# KiCad board launch.kicad_pcb (continued)
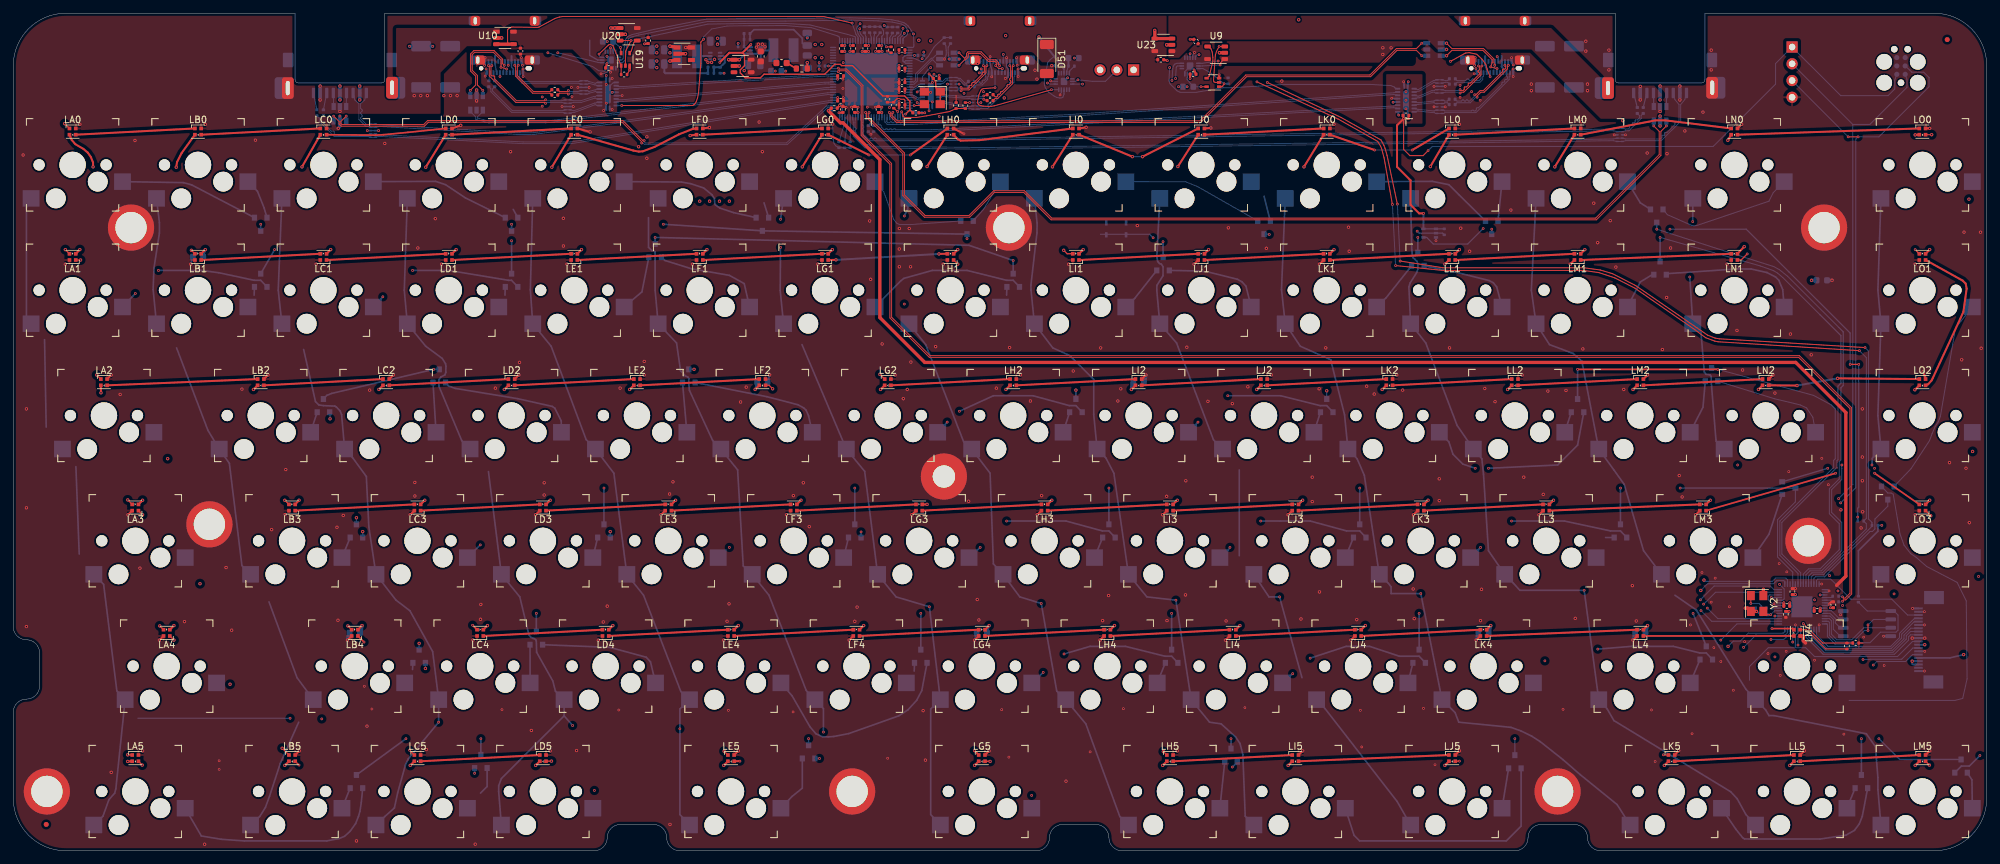
[diagram p0: board, top side]
## Routing (per net, layer and track width the routed paths; a pad name or vN(x,y) marks a point on that pad's centre or on a via; arc(x,y) is an arc through that point) (continued)
COLK: length 178.9
  In1.Cu w0.18: v1(255.68,39.47) 255.2,39 v2(213.25,39)
  Bottom w0.15: v1(255.68,39.47) 256.7,40.5 266.7,40.5 267.15,40.95 268.25,40.95 268.4,40.8 U1.29
  Bottom w0.25: SWK1.1 192.74,79.92 ; SWK1.1 195,76.5 199.6,74.45 201.7,66.1 SWK2.1 203.6,59.45 204.69,56.94 SWK3.1 ; SWK1.1 192.15,85.1 SWK0.1 ; SWK3.1 208.35,40.55 208.75,40.03 208.75,39 v2(213.25,39) SWK4.1 217.9,21.5 218.45,20.95 219,19.5 226.91,18.71 228.42,18.18 230.04,17.39 231.35,16.55 234.78,13.83 237.4,11.55 243,7 SWK5.1 ; SWK3.1 206.99,41.92
COLL: length 154.7
  In1.Cu w0.18: v2(238,39.5) 254.6,39.5 v1(256.15,41.05)
  Bottom w0.15: U1.30 268.8,41.1 268.55,41.35 267,41.35 266.5,40.85 256.35,40.85 v1(256.15,41.05)
  Bottom w0.25: SWL3.1 227.3,40.55 228.25,39.5 v2(238,39.5) SWL4.1 241.5,21.5 242.5,19.75 260.2,8.95 261.19,7.89 262.5,5.5 SWL5.1 ; SWL3.1 223.5,45.5 222.75,57.1 222.5,59.45 SWL2.1 218.75,64.5 214,77 SWL1.1 ; SWL3.1 225.99,41.92 ; SWL1.1 211.74,79.92 ; SWL1.1 211.44,85.51 211.64,86.11 212.63,87.67 212.8,88.15 212.8,88.95 212.7,89.35 212.35,89.7 212.1,89.91 211.95,90.55 211.88,91.18 SWL0.1
COLM: length 149.7
  Bottom w0.15: 263.05,25.85 263.05,27.95 265.9,30.8 271.55,30.8 272.9,29.45 285.45,29.45 287.75,31.75 J7.11 ; U1.9 270.4,33.1 270,32.7 270,30.8
  Bottom w0.25: 249.74,41.92 SWM3.1 247,45.5 244.06,55.56 242.5,57.75 SWM2.1 237.65,74.25 236.35,75.4 232.75,76.75 SWM1.1 ; SWM0.1 230,85 SWM1.1 ; SWM1.1 230.74,79.92 ; 251.75,38.75 255,36.5 262.5,24.5 SWM4.1 265.5,21.35 266,20.5 266.75,20.5 280.75,17.75 282.13,15.78 282.5,11.1 282.5,9.3 SWM5.1
COLN: length 123.7
  In1.Cu w0.15: v2(261.25,58.5) v2(277.05,58.5)
  In2.Cu w0.15: v2(254,87) v2(254.45,95.4)
  In2.Cu w0.2: v2(277.05,58.5) v2(281.6,58.5)
  Bottom w0.15: v2(277.05,58.5) 277.02,57.97 277.02,56.3 275.5,54.78 275.5,51.3 277.02,49.78 277.02,45.53 273.95,42.45 272.2,42.45 271.6,41.85 U1.37
  Bottom w0.25: v2(281.6,58.5) 281.65,59.5 SWN5.1 282.5,66 SWN4.1 282.5,85 SWN3.1 ; SWN0.1 v2(254.45,95.4) ; v2(254,87) SWN1.1 255.7,78.6 256.2,72.6 256.45,72.25 257.1,72.15 257.25,71.9 257.25,71.1 257.96,62.36 258,62.1 SWN2.1
LED: length 9.6
  Top w0.15: R4.1 R27.2 274.15,31.5 v2(271.2,34.45)
  Bottom w0.15: U1.7 v2(271.2,34.45)
ROW0: length 296
  In1.Cu w0.18: v2(249,94.25) 248.25,93.5 224.75,93.5 v2(224,94.25) 223.2,93.45 v2(190.3,93.45) 189.7,92.85 173.9,92.85 173.25,92.2 158.4,92.2 156.85,90.65 146.65,90.65 v2(144.5,92.8) ; v2(37.5,95) v2(98.5,95)
  Bottom w0.15: v2(249,94.25) 260.5,90.55 266.73,88.58 267.57,88.12 268.82,87.12 276.59,79.34 ; U1.36 271.2,41.95 272,42.75 273.75,42.75 276.65,45.65 276.65,49.6 275.15,51.1 275.15,54.9 276.65,56.4 276.65,59 276.9,59.25 276.9,68.5
  Bottom w0.18: 276.59,79.34 277.25,78.68 277.25,70.55 276.9,70.2 276.9,68.5
  Bottom w0.25: v2(249,94.25) 249,95.3 ; D27.3 v2(190.3,93.45) ; v2(98.5,95) D39.3 D33.3 v2(144.5,92.8) ; D45.3 v2(75.5,95) ; v2(37.5,95) D9.3 ; D21.3 v2(224,94.25)
ROW1: length 307.8
  In1.Cu w0.18: v2(249.5,93) v2(212.8,93) 212.15,92.35 v2(174.2,92.35) 173.6,91.75 158.7,91.75 156.45,89.5 v2(151.5,89.5) ; v2(97.25,93) 96.75,92.5 v2(75.5,92.5) 40.95,92.5 v2(39.6,91.15)
  Bottom w0.15: U1.35 270.8,42.15 267.95,45 267.95,49.8 276.3,58.15 276.3,59.15 276.45,59.3 276.45,69 ; v2(249.5,93) 264.72,88.67 266.71,87.96 267.3,87.6 268.08,86.93 273.73,81.28
  Bottom w0.18: 276.45,69 276.45,70.45 276.9,70.9 276.9,78.11 273.73,81.28
  Bottom w0.25: 249.5,89.3 v2(249.5,93) ; D34.3 v2(151.5,89.5) 144.81,91.81 v2(97.25,93) D40.3 ; D10.3 v2(39.6,91.15) ; D46.3 v2(75.5,92.5) ; D22.3 v2(212.8,93) ; D28.3 v2(174.2,92.35)
ROW2: length 277
  Top w0.25: v2(237,73) v2(258.25,73)
  In1.Cu w0.18: v2(237,73) 232.95,68.95 223.9,68.95 223.55,69.3 209.5,69.3 208.15,70.65 206.4,70.65 205.5,69.75 v1(199,69.75) 198.62,69.38 187.82,69.38 187.7,69.5 170.2,69.5 169.8,69.1 161.75,69.1 v1(161,69.85) 151.3,69.85 150.8,69.35 106.8,69.35 v1(103.15,73) v2(63.7,73)
  Bottom w0.15: v2(258.25,73) 272.75,69.05 275.45,67.6 276.04,67.02 276.04,59.44 275.8,59.2 275.8,58.15 267.65,50 267.65,44.8 270.4,42.05 U1.34
  Bottom w0.18: D29.3 v1(199,69.75)
  Bottom w0.25: D11.3 47.5,69.05 48.25,69.35 v2(63.7,73) D47.3 ; D41.3 v1(103.15,73) ; D35.3 v1(161,69.85) ; D17.3 v2(258.25,73) ; D23.3 v2(237,73)
ROW3: length 267
  In1.Cu w0.18: v1(52,50.5) 56.5,55 v2(89.5,55) v2(127.5,55) 137.1,55 139.5,52.6 143,52.6 145.4,55 v2(166,55) v2(204,55) v2(243.5,55) v2(252.55,55)
  Bottom w0.15: D18.3 270,52.9 267.3,50.2 267.3,44.55 269.6,42.25 U1.32
  Bottom w0.18: v1(52,50.5) D12.3
  Bottom w0.2: D18.3 v2(252.55,55)
  Bottom w0.25: D48.3 v2(89.5,55) ; D24.3 v2(243.5,55) ; D36.3 v2(166,55) ; D42.3 v2(127.5,55) ; D30.3 v2(204,55)
ROW4: length 263.5
  In1.Cu w0.15: v2(275.18,41.72) 274.05,42.85 263.75,42.85 256.65,35.75 255.5,35.75 255.25,36 v2(254.5,36)
  In1.Cu w0.18: v1(61.5,31.45) 66.05,36 v2(79.25,36) v2(137.5,36) v2(175.5,36) v2(213,36) v2(254.5,36)
  Bottom w0.15: D19.3 284,52.25 282.05,50.3 282.05,48.8 281.68,48.42 281.32,48.42 274.45,41.55 273.05,41.55 272.8,41.3 U1.40 ; v2(275.18,41.72) 274.9,42
  Bottom w0.18: v1(61.5,31.45) D13.3
  Bottom w0.25: D49.3 v2(79.25,36) ; D43.3 v2(137.5,36) ; D37.3 v2(175.5,36) ; D25.3 v2(254.5,36) ; D31.3 v2(213,36)
ROW5: length 276.9
  In1.Cu w0.18: 266.9,25.85 v2(266.9,29.4) ; 266.9,25.85 268.05,25.85 276.9,17 v2(280,17) v2(282.65,17) ; 266.9,25.85 258.05,17 v2(227.5,17) v2(184.5,17) v2(120.5,17) v2(70.85,17) v2(59.5,17)
  In2.Cu w0.15: v2(266.9,29.4) v2(266.9,35.6)
  Bottom w0.15: U1.18 v2(266.9,35.6)
  Bottom w0.18: v2(120.5,17) D44.3 ; D32.3 v2(227.5,17)
  Bottom w0.2: v2(282.65,17) 285.8,13.85 D20.3
  Bottom w0.25: D50.3 v2(70.85,17) ; D38.3 v2(184.5,17) ; D14.3 v2(59.5,17) ; D26.3 v2(280,17)
ROW6: length 18.4
  Bottom w0.15: J7.3 287,35.75 284.6,38.15 278.4,38.15 275.35,41.2 273.4,41.2 273.2,41 U1.41
ROW7: length 19.1
  Bottom w0.15: J7.4 288.05,35.25 285.77,32.97 285.77,32.33 284.45,31 274.95,31 273.2,32.75 U1.2
ROW8: length 19.6
  Bottom w0.15: U1.3 272.8,32.65 274.75,30.7 284.55,30.7 286.1,32.25 286.1,32.85 288,34.75 J7.5
ROW9: length 19.9
  Bottom w0.15: U1.4 272.4,32.55 274.55,30.4 284.7,30.4 286.45,32.15 286.45,32.7 287.5,33.75 J7.7
ROW10: length 20.3
  Bottom w0.15: J7.8 287.45,33.25 286.8,32.6 286.8,32.1 284.8,30.1 274.35,30.1 272,32.45 U1.5
ROW11: length 20.8
  Bottom w0.15: J7.9 287.45,32.75 287.15,32.45 287.15,31.95 285,29.8 274.2,29.8 271.6,32.4 U1.6
Net-(C76-Pad2): length 1.7
  Top w0.25: C76.2 R3.1
Net-(D9-A-Pad1): length 21.3
  Bottom w0.25: D9.1 27.03,100.97 25.81,101.31 SWA0.2
Net-(D9-A-Pad2): length 6.3
  Bottom w0.25: D9.2 38,97.5 37,100 SWB0.2
Net-(D10-A-Pad1): length 24.8
  In1.Cu w0.25: v2(18.5,84.5) v2(22,88)
  Bottom w0.25: v2(18.5,84.5) SWA1.2 ; D10.1 37.5,86.5 36.5,86.5 31.15,87.65 28.5,88 v2(22,88)
Net-(D10-A-Pad2): length 1.3
  Bottom w0.25: D10.2 36.5,84.25
Net-(D11-A-Pad1): length 28.9
  In1.Cu w0.18: v1(23.4,59.45) 24.35,58.5 41,58.5 v1(48,65.5)
  Bottom w0.18: v1(48,65.5) 48,66.45 D11.1
Net-(D11-A-Pad2): length 3.2
  Bottom w0.25: D11.2 SWB2.2
Net-(D12-A-Pad1): length 30.1
  In1.Cu w0.18: v1(28.3,40.5) 37.75,49.95 49.5,49.95 51.05,48.4 v1(52.95,48.4)
  Bottom w0.18: v1(52.95,48.4) D12.1
Net-(D12-A-Pad2): length 3.3
  Bottom w0.25: D12.2 SWB3.2
Net-(D13-A-Pad1): length 33.5
  In1.Cu w0.18: v1(62.45,27.65) 57.55,22.75 53.75,22.75 51.25,25.25 v1(32.85,25.25)
  Bottom w0.18: D13.1 v1(62.45,27.65)
Net-(D13-A-Pad2): length 1
  Bottom w0.25: D13.2 60.5,27.5
Net-(D14-A-Pad1): length 34.8
  Bottom w0.25: SWA5.2 28.5,2.25 31.5,1.75 35,1.5 47.5,1.5 49.35,1.85 50.2,2.2 51.04,2.96 51.88,4.12 52.3,5.2 52.53,5.97 52.73,7.27 D14.1
Net-(D14-A-Pad2): length 3.3
  Bottom w0.25: D14.2 SWB5.2
Net-(D15-A-Pad1): length 5.6
  Bottom w0.25: SWM0.2 246.5,98.25 D15.1
Net-(D15-A-Pad2): length 21.2
  Bottom w0.15: SWN0.2 266.65,99.8 266,98.5 255.04,94.81 254.59,94.76 254.35,94.8 250.6,96.45 D15.2
Net-(D16-A-Pad1): length 21.7
  Bottom w0.25: SWN1.2 268.08,85.08 267.5,86.5 267,87 265.68,87.68 263.29,88.21 261.23,88.23 250.45,87.5
Net-(D16-A-Pad2): length 6.7
  Bottom w0.25: 248.55,87.5 246.5,86.25 SWM1.2
Net-(D17-A-Pad1): length 18.1
  Bottom w0.15: SWN2.2 272.64,65.74 271.7,67.15 270.75,67.6 266.8,68.55 D17.1
Net-(D17-A-Pad2): length 8.2
  Bottom w0.25: SWM2.2 256,67.25 D17.2
Net-(D18-A-Pad1): length 10.7
  Bottom w0.25: D18.1 266,48 SWM3.2
Net-(D18-A-Pad2): length 68.2
  In1.Cu w0.18: v1(296.3,98.8) 296.65,98.45 296.65,64.5 296.6,64.5 295.55,63.45 295.55,59.85 293.7,58 v2(282,58)
  In2.Cu w0.2: v2(274.9,58) v2(282,58)
  Bottom w0.2: D18.2 v2(274.9,58)
Net-(D19-A-Pad1): length 55.4
  Bottom w0.15: D19.1 284,54.25 284.5,54.25 284.82,54.07 285.85,48.05 286.47,46.32 287.47,45.07 288.3,44.5 289.9,43.1 294.5,40.7 295.89,37.89 296.01,26.06 295.35,23.1 294.15,22.8 278.15,22.8
Net-(D19-A-Pad2): length 30.5
  Bottom w0.15: SWN4.2 294.25,79.25 291.96,65.84 291.65,65.05 291.17,64.33 290.71,63.24 290.32,62.18 287.52,57.93 D19.2
Net-(D20-A-Pad1): length 5.6
  Bottom w0.25: D20.1 296.75,10.75 SWM5.2
Net-(D20-A-Pad2): length 51.6
  In1.Cu w0.18: v1(296.85,60.55) 298.2,59.2 298.2,14.7 v2(297.95,14.45)
  Bottom w0.25: D20.2 295.15,12.85 296.35,12.85 v2(297.95,14.45)
Net-(D21-A-Pad1): length 18.8
  Bottom w0.25: D21.1 219,99.5 217.5,101 215,101.5 SWK0.2
Net-(D21-A-Pad2): length 6
  Bottom w0.25: D21.2 SWL0.2
Net-(D22-A-Pad1): length 14.8
  Bottom w0.25: D22.1 218.65,87.7 223.61,86.46 224.23,86.13 224.75,85.5 SWL1.2
Net-(D22-A-Pad2): length 8.2
  Bottom w0.25: D22.2 208,83.85 SWK1.2
Net-(D23-A-Pad1): length 30
  In1.Cu w0.25: v2(223.5,58) v2(221.5,58)
  Bottom w0.25: D23.1 237,61.5 234,58.5 v2(223.5,58) ; SWK2.2 217.5,62 218.12,60.12 219.62,58.62 v2(221.5,58)
Net-(D23-A-Pad2): length 3.2
  Bottom w0.25: D23.2 SWL2.2
Net-(D24-A-Pad1): length 26.4
  In1.Cu w0.25: v2(227,50) v2(222.3,46)
  Bottom w0.25: v2(227,50) 235,50 242,48.5 243.5,48.5 D24.1 ; v2(222.3,46) SWK3.2
Net-(D24-A-Pad2): length 1.3
  Bottom w0.25: D24.2 241.25,47.5
Net-(D25-A-Pad1): length 26.7
  In1.Cu w0.18: v2(232.05,28.8) 238.28,28.8 v2(240.07,30.58)
  Bottom w0.25: D25.1 256.5,30 255.5,30 251.5,31 245.2,31 v2(240.07,30.58)
Net-(D25-A-Pad2): length 3.8
  Bottom w0.25: D25.2 SWL4.2
Net-(D26-A-Pad1): length 29.5
  Bottom w0.25: SWK5.2 261,3.25 262,2 262.3,1.8 273.72,1.78 277.67,2.38 278.95,3.1 279.68,4.07 280.14,5.21 D26.1
Net-(D26-A-Pad2): length 3.3
  Bottom w0.25: D26.2 SWL5.2
Net-(D27-A-Pad1): length 21.5
  Bottom w0.15: D27.1 179.45,100.7 177.6,101.45 SWI0.2
Net-(D27-A-Pad2): length 3.9
  Bottom w0.25: D27.2 189.5,99.25
Net-(D28-A-Pad1): length 15.4
  Bottom w0.25: SWJ1.2 186.76,85.61 186.16,86.26 185.46,86.66 181.09,87.74 179.37,87.92 D28.1
Net-(D28-A-Pad2): length 7.3
  Bottom w0.25: SWI1.2 169.9,83.75 D28.2
Net-(D29-A-Pad1): length 24.8
  In1.Cu w0.25: v2(179.5,65) 180,65 v2(184,69)
  Bottom w0.25: D29.1 199,67.5 198,67.5 192,69 v2(184,69) ; v2(179.5,65) SWI2.2
Net-(D29-A-Pad2): length 3.2
  Bottom w0.25: D29.2 SWJ2.2
Net-(D30-A-Pad1): length 25.1
  In1.Cu w0.25: v2(184.34,46.01) 185.01,46.01 v2(189,50)
  Bottom w0.25: SWI3.2 184,45.5 v2(184.34,46.01) ; D30.1 204,48.5 202,48.5 196.5,50 v2(189,50)
Net-(D30-A-Pad2): length 3.3
  Bottom w0.25: D30.2 SWJ3.2
Net-(D31-A-Pad1): length 24.1
  In1.Cu w0.25: v2(196.49,29.21) 194.14,26.86 v2(193.84,26.86)
  Bottom w0.25: v2(193.84,26.86) SWI4.2 ; v2(196.49,29.21) 201.95,31 205.5,31 210,29.5 213,29.5 D31.1
Net-(D31-A-Pad2): length 3.1
  Bottom w0.25: D31.2 SWJ4.2
Net-(D32-A-Pad1): length 39.7
  Bottom w0.25: D32.1 228.45,3.75 226.2,1.5 203.99,1.5 203.14,2.35 SWI5.2
Net-(D32-A-Pad2): length 6.1
  Bottom w0.25: D32.2 SWJ5.2
Net-(D33-A-Pad1): length 17
  Bottom w0.15: D33.1 135.9,94.95 134.3,94.95 133.86,95.16 133.38,95.78 131.9,99.9 SWG0.2
Net-(D33-A-Pad2): length 7.3
  Bottom w0.15: SWH0.2 147,97.25 145.85,95.95 D33.2
Net-(D34-A-Pad1): length 24.5
  Bottom w0.25: SWG1.2 134.5,86.45 134.95,86.8 139.25,88 144.5,88 150.5,86.5 151.5,86.5 D34.1
Net-(D34-A-Pad2): length 1.3
  Bottom w0.25: D34.2 150.5,84.25
Net-(D35-A-Pad1): length 24.3
  In1.Cu w0.25: v2(143.35,66.65) v2(141.5,65)
  Bottom w0.25: v2(143.35,66.65) 148.5,69 154.5,69 160,67.5 161,67.5 D35.1 ; v2(141.5,65) SWG2.2
Net-(D35-A-Pad2): length 3.2
  Bottom w0.25: D35.2 SWH2.2
Net-(D36-A-Pad1): length 25
  In1.Cu w0.25: v2(150.5,50) v2(146.5,46)
  Bottom w0.25: v2(146.5,46) SWG3.2 ; D36.1 166,48.5 165,48.5 159.5,50 v2(150.5,50)
Net-(D36-A-Pad2): length 3.3
  Bottom w0.25: D36.2 SWH3.2
Net-(D37-A-Pad1): length 24.7
  In1.Cu w0.25: v2(156.05,27.05) 158.85,29.85 v2(159.2,29.85)
  Bottom w0.25: v2(159.2,29.85) 163.15,31 168.5,31 174.5,29.5 175.5,29.5 D37.1 ; SWG4.2 156,27 v2(156.05,27.05)
Net-(D37-A-Pad2): length 3.3
  Bottom w0.25: D37.2 SWH4.2
Net-(D38-A-Pad1): length 33.3
  In1.Cu w0.25: v2(154.3,8.4) 157.75,11.85 183.85,11.85 v2(184.7,12.7)
  Bottom w0.25: D38.1 185.45,13.45 v2(184.7,12.7)
Net-(D38-A-Pad2): length 7.1
  Bottom w0.25: D38.2 SWH5.2
Net-(D39-A-Pad1): length 22
  Bottom w0.25: D39.1 109.14,96.76 107.05,97.45 106.41,97.91 106.3,98.1 106.23,98.87 105.87,99.47 104.6,100.5 102.65,101.15 101.2,101.4 SWE0.2
Net-(D39-A-Pad2): length 2.4
  Bottom w0.25: 113.75,98.25 D39.2
Net-(D40-A-Pad1): length 17
  Bottom w0.25: SWF1.2 110.75,86 108.5,87.25 102.75,88.25 98.75,89.5 D40.1
Net-(D40-A-Pad2): length 8.9
  Bottom w0.25: SWE1.2 95.25,84.75 D40.2
Net-(D41-A-Pad1): length 20.9
  Bottom w0.25: SWF2.2 120.5,65.95 120.12,66.82 119.79,67.14 118.88,67.63 114.2,68.85 D41.1
Net-(D41-A-Pad2): length 7.6
  Bottom w0.25: SWE2.2 D41.2
Net-(D42-A-Pad1): length 23.1
  In1.Cu w0.25: v2(128.45,48.35) 126.8,50 112.5,50 v2(108.5,46)
  Bottom w0.25: v2(128.45,48.35) D42.1
Net-(D42-A-Pad2): length 3.1
  Bottom w0.25: D42.2 SWF3.2
Net-(D43-A-Pad1): length 32.1
  Bottom w0.25: D43.1 137.65,24.3 136.88,22.82 135.54,21.36 134.17,20.47 126.57,17.77 124.32,17.33 123.48,17.27 122.6,17.3 121.6,17.75 120.71,18.81 118,23.5 SWE4.2
Net-(D43-A-Pad2): length 1.3
  Bottom w0.25: D43.2 136.5,27.25
Net-(D44-A-Pad1): length 203.9
  In1.Cu w0.18: v2(297.75,41.6) 297.75,19.65 290.5,12.4 287.3,12.4 283.3,16.4 147.85,16.4 146.05,14.6 122.75,14.6 v2(122.15,14)
  Bottom w0.25: D44.1 v2(122.15,14)
Net-(D44-A-Pad2): length 9
  Bottom w0.25: SWE5.2 118,8.25 119.55,9.5 D44.2
Net-(D45-A-Pad1): length 21.4
  Bottom w0.25: SWC0.2 64,101.5 65.5,101 68.5,99 D45.1
Net-(D45-A-Pad2): length 1.4
  Bottom w0.25: D45.2 75.75,97.25
Net-(D46-A-Pad1): length 24.8
  In1.Cu w0.25: v2(60.5,88) 60,88 v2(56,84)
  Bottom w0.25: D46.1 75.5,86.5 75,86.5 66,88 v2(60.5,88) ; v2(56,84) SWC1.2
Net-(D46-A-Pad2): length 1.3
  Bottom w0.25: D46.2 74.5,84.25
Net-(D47-A-Pad1): length 21.1
  Bottom w0.25: D47.1 65.9,70.5 66.96,70.11 76.45,68.55 81.67,67.37 82.06,67.11 83.03,65.18 SWD2.2
Net-(D47-A-Pad2): length 7.6
  Bottom w0.25: D47.2 SWC2.2
Net-(D48-A-Pad1): length 25.4
  In1.Cu w0.18: v1(90.45,48.4) 88.95,49.9 74.28,49.9 v2(70.77,46.38)
  Bottom w0.18: v1(90.45,48.4) D48.1
  Bottom w0.25: v2(70.77,46.38) SWC3.2
Net-(D48-A-Pad2): length 3.1
  Bottom w0.25: D48.2 SWD3.2
Net-(D49-A-Pad1): length 20.1
  Bottom w0.25: D49.1 90.35,30.85 95.9,29.35 96.55,28.65 SWD4.2
Net-(D49-A-Pad2): length 5.8
  Bottom w0.25: D49.2 SWC4.2
Net-(D50-A-Pad1): length 4.2
  Bottom w0.25: 70.8,8.75 71.8,9.75 D50.1
Net-(D50-A-Pad2): length 20
  In1.Cu w0.25: v2(69.9,11.75) 85.45,11.75 v2(88.05,9.15)
  Bottom w0.25: D50.2 v2(69.9,11.75)
Net-(J2-SSTX+): length 2.3
  Bottom w0.18: C52.2 J2.9
Net-(J2-SSTX-): length 2.3
  Bottom w0.18: C51.2 J2.8
Net-(J3-SSTX+): length 2.6
  Bottom w0.15: C54.2 J3.9
Net-(J3-SSTX-): length 2.6
  Bottom w0.15: C53.2 J3.8
Net-(LA0-DIN): length 23.5
  Top w0.18: LA1.3 v1(7.9,91.15) ; LA0.1 v1(7.8,110.25)
  In1.Cu w0.18: v1(7.9,91.15) 7.9,96.5 8.95,97.55 8.95,99.8 5.85,102.9 5.85,108.3 v1(7.8,110.25)
Net-(LA0-DOUT): length 18.1
  Top w0.3: 9.48,108.58 LB0.1
Net-(LA1-DIN): length 18.9
  Top w0.18: 9.48,89.58 v1(10.2,89.58) ; LB1.3 v1(27,91.05)
  In1.Cu w0.18: v1(10.2,89.58) 10.92,90.3 26.25,90.3 v1(27,91.05)
Net-(LA2-DIN): length 24.4
  Top w0.18: LA2.1 v1(12.65,72.15) ; LA3.3 v1(17.35,53.2)
  In1.Cu w0.18: v1(12.65,72.15) 10.7,70.2 10.7,64.6 17.35,57.95 v1(17.35,53.2)
Net-(LA2-DOUT): length 22.8
  Top w0.3: LA2.3 LB2.1
Net-(LA3-DIN): length 28.9
  Top w0.18: LA3.1 v1(19.6,50.95) ; LB3.3 v1(41.15,53.15)
  In1.Cu w0.18: v1(19.6,50.95) 22.25,50.95 27.85,45.35 31.65,45.35 39.45,53.15 v1(41.15,53.15)
Net-(LA4-DIN): length 28.9
  Top w0.18: LB4.3 v1(50.7,34.1) ; LA4.1 v1(24.35,31.95)
  In1.Cu w0.18: v1(24.35,31.95) 26.5,34.1 v1(50.7,34.1)
Net-(LA4-DOUT): length 23
  Top w0.18: LA4.3 v1(22.2,34.1) ; LA5.1 v1(17.35,14.55)
  In1.Cu w0.18: v1(17.35,14.55) 17.35,23.65 20.1,26.4 20.1,32 v1(22.2,34.1)
Net-(LA5-DOUT): length 24.5
  Top w0.18: LB5.1 v1(40.75,15.55) ; LA5.3 v1(19.55,13)
  In1.Cu w0.18: v1(40.75,15.55) 38.2,13 v1(19.55,13)
Net-(LB0-DOUT): length 18.1
  Top w0.3: 28.48,108.58 LC0.1
Net-(LB1-DIN): length 18.1
  Top w0.3: 28.48,89.58 LC1.3
Net-(LB2-DOUT): length 18.1
  Top w0.3: LB2.3 LC2.1
Net-(LB3-DIN): length 18.1
  Top w0.3: LC3.3 LB3.1
Net-(LB4-DIN): length 20.4
  Top w0.25: LC4.3 v2(69.6,34.2) ; LB4.1 v2(53.15,31.65)
  In1.Cu w0.18: v2(69.6,34.2) 65.2,34.2 61.85,30.85 61.2,30.85 60.4,31.65 v2(53.15,31.65)
Net-(LB5-DOUT): length 19.5
  Top w0.18: LC5.1 v2(60.05,15.25) ; LB5.3 v2(43.3,13)
  In1.Cu w0.18: v2(60.05,15.25) 57.8,13 v2(43.3,13)
Net-(LC0-DOUT): length 18.1
  Top w0.25: 47.47,108.58 54.89,108.51 56.12,108.58 59.82,108.93 LD0.1
Net-(LC1-DIN): length 18.1
  Top w0.3: 47.47,89.58 LD1.3
Net-(LC2-DOUT): length 18.1
  Top w0.3: LC2.3 LD2.1
Net-(LC3-DIN): length 18.1
  Top w0.3: LD3.3 LC3.1
Net-(LC4-DIN): length 18.1
  Top w0.3: LC4.1 LD4.3
Net-(LC5-DOUT): length 18.1
  Top w0.3: LD5.1 LC5.3
Net-(LD0-DOUT): length 18.1
  Top w0.3: 66.47,108.58 LE0.1
Net-(LD1-DIN): length 18.1
  Top w0.3: 66.47,89.58 LE1.3
Net-(LD2-DOUT): length 18.1
  Top w0.3: LD2.3 LE2.1
Net-(LD3-DIN): length 18.1
  Top w0.3: LE3.3 LD3.1
Net-(LD4-DIN): length 18.1
  Top w0.3: LD4.1 LE4.3
Net-(LD5-DOUT): length 29.6
  Top w0.18: LE5.1 v1(107.7,15.1) ; LD5.3 80.75,13.6 v1(81.55,13.6)
  In1.Cu w0.18: v1(107.7,15.1) 106.25,16.55 84.5,16.55 v1(81.55,13.6)
Net-(LE0-DOUT): length 19.1
  Top w0.3: 85.47,108.58 93.97,106.17 94.78,106.02 95.39,106.06 97.17,106.73 100.87,108.63 102.97,109.47 LF0.1
Net-(LE1-DIN): length 18.1
  Top w0.3: 85.47,89.58 LF1.3
Net-(LE2-DOUT): length 18.1
  Top w0.3: LE2.3 LF2.1
Net-(LE3-DIN): length 18.1
  Top w0.3: LF3.3 LE3.1
Net-(LE4-DIN): length 18.1
  Top w0.3: LE4.1 LF4.3
Net-(LE5-DOUT): length 39
  Top w0.3: LG5.1 v2(145.6,15.2) ; LE5.3 v2(110.1,13.6)
  In1.Cu w0.18: v2(110.1,13.6) 112.9,16.4 144.4,16.4 v2(145.6,15.2)
Net-(LF0-DOUT): length 18.1
  Top w0.3: 104.47,108.58 LG0.1
Net-(LF1-DIN): length 18.1
  Top w0.3: 104.47,89.58 LG1.3
Net-(LF2-DOUT): length 19.5
  Top w0.18: LG2.1 v1(131.3,72.25) ; v1(115.05,70.05) 114.53,70.58 LF2.3
  In1.Cu w0.18: v1(115.05,70.05) 117.25,72.25 v1(131.3,72.25)
Net-(LF3-DIN): length 18.1
  Top w0.3: LG3.3 LF3.1
Net-(LF4-DIN): length 18.1
  Top w0.3: LF4.1 LG4.3
Net-(LG0-DOUT): length 20.1
  Top w0.3: v2(135.9,105.5) LH0.1 ; 123.47,108.58 v2(129.65,105.5)
  Bottom w0.15: v2(135.9,105.5) v2(129.65,105.5)
Net-(LG1-DIN): length 18.1
  Top w0.3: 123.47,89.58 v1(124.65,89.6) ; v1(140.25,90.5) LH1.3
  Bottom w0.3: v1(124.65,89.6) v1(140.25,90.5)
Net-(LG2-DOUT): length 18.1
  Top w0.3: LG2.3 LH2.1
Net-(LG3-DIN): length 18.1
  Top w0.3: LH3.3 LG3.1
Net-(LG4-DIN): length 18.1
  Top w0.3: LG4.1 LH4.3
Net-(LG5-DOUT): length 29.1
  Top w0.18: LG5.3 147.97,13.57 v1(148,13.55) ; LH5.1 v1(174.25,15.05)
  In1.Cu w0.18: v1(148,13.55) 150.3,15.85 173.45,15.85 v1(174.25,15.05)
Net-(LH0-DOUT): length 18.5
  Top w0.3: LI0.1 146.35,107.75 143.53,107.68 143.1,107.9 142.47,108.58
Net-(LH1-DIN): length 19.4
  Top w0.18: LI1.3 159.68,90.53 v1(159.15,91.05) ; 142.47,89.58 v1(143.1,88.95)
  In1.Cu w0.18: v1(159.15,91.05) 157.05,88.95 v1(143.1,88.95)
Net-(LH2-DOUT): length 18.1
  Top w0.3: LH2.3 LI2.1
Net-(LH3-DIN): length 18.1
  Top w0.3: LI3.3 LH3.1
Net-(LH4-DIN): length 18.1
  Top w0.3: LH4.1 LI4.3
Net-(LH5-DOUT): length 18.1
  Top w0.3: LH5.3 LI5.1
Net-(LI0-DOUT): length 19.7
  Top w0.3: 161.47,108.58 v1(169.55,105.25) ; v1(171.1,105.25) LJ0.1
  Bottom w0.15: v1(171.1,105.25) v1(169.55,105.25)
Net-(LI1-DIN): length 18.1
  Top w0.3: LJ1.3 161.47,89.58
Net-(LI2-DOUT): length 18.1
  Top w0.3: LI2.3 LJ2.1
Net-(LI3-DIN): length 18.1
  Top w0.3: LJ3.3 LI3.1
Net-(LI4-DIN): length 18.1
  Top w0.3: LI4.1 LJ4.3
Net-(LI5-DOUT): length 22.8
  Top w0.3: LI5.3 LJ5.1
Net-(LJ0-DOUT): length 18.1
  Top w0.3: LK0.1 180.47,108.58
Net-(LJ1-DIN): length 18.1
  Top w0.3: 180.47,89.58 LK1.3
Net-(LJ2-DOUT): length 18.1
  Top w0.3: LJ2.3 LK2.1
Net-(LJ3-DIN): length 18.1
  Top w0.3: LK3.3 LJ3.1
Net-(LJ4-DIN): length 18.1
  Top w0.3: LJ4.1 LK4.3
Net-(LJ5-DOUT): length 32.7
  Top w0.18: LK5.1 250.02,14.53 v2(250,14.55) ; LJ5.3 218.5,13.6 v2(219.1,13.6)
  In1.Cu w0.18: v2(219.1,13.6) 220.05,14.55 v2(250,14.55)
Net-(LK0-DOUT): length 19.3
  Top w0.3: v2(211.95,106.25) LL0.1 ; 199.47,108.58 v2(206.25,106.25)
  Bottom w0.15: v2(206.25,106.25) v2(211.95,106.25)
Net-(LK1-DIN): length 18.1
  Top w0.3: 199.47,89.58 LL1.3
Net-(LK2-DOUT): length 18.1
  Top w0.3: LK2.3 LL2.1
Net-(LK3-DIN): length 18.1
  Top w0.3: LL3.3 LK3.1
Net-(LK4-DIN): length 22.8
  Top w0.3: LK4.1 LL4.3
Net-(LK5-DOUT): length 18.1
  Top w0.3: LK5.3 LL5.1
Net-(LL0-DOUT): length 18.1
  Top w0.3: 218.47,108.58 LM0.1
Net-(LL1-DIN): length 18.1
  Top w0.3: 218.47,89.58 LM1.3
Net-(LL2-DOUT): length 18.1
  Top w0.3: LM2.1 LL2.3
Net-(LL3-DIN): length 22.8
  Top w0.3: LM3.3 LL3.1
Net-(LL4-DIN): length 22.8
  Top w0.25: LL4.1 LM4.3
Net-(LL5-DOUT): length 18.1
  Top w0.3: LL5.3 LM5.1
Net-(LM0-DOUT): length 23.1
  Top w0.3: 237.48,108.58 248.8,110.75 250.3,110.75 LN0.1
Net-(LM1-DIN): length 22.8
  Top w0.3: 237.48,89.58 LN1.3
Net-(LM2-DOUT): length 18.1
  Top w0.3: LM2.3 LN2.1
Net-(LM3-DIN): length 34.6
  Top w0.25: LO3.3 v2(282,57.25) ; v2(276.1,57.25) LM3.1
  In2.Cu w0.25: v2(282,57.25) v2(276.1,57.25)
Net-(LM4-DIN): length 8.3
  Top w0.15: R27.1 274.6,30.6 271.68,33.53 LM4.1
Net-(LM5-DOUT): length 47
  Top w0.18: LO3.1 v1(290.5,50.8) ; LM5.3 v1(290.3,13)
  In1.Cu w0.18: v1(290.3,13) 294.85,17.55 294.85,29.9 296.7,31.75 296.7,48.15 294.05,50.8 v1(290.5,50.8)
Net-(LN0-DOUT): length 27.6
  Top w0.3: 261.23,108.58 LO0.1
Net-(LN1-DIN): length 28.5
  Top w0.18: LO1.3 v2(288.15,91.15) ; v2(262.7,90.5) 261.77,89.58 261.23,89.58
  In1.Cu w0.18: v2(262.7,90.5) 287.5,90.5 v2(288.15,91.15)
Net-(LN2-DOUT): length 22.9
  Top w0.3: LO2.1 v1(276.4,71.63) ; LN2.3 v1(270.25,70.55)
  Bottom w0.3: v1(276.4,71.63) v1(270.25,70.55)
Net-(LO1-DIN): length 24.1
  Top w0.3: LO2.3 290.12,70.73 290.63,71.32 290.8,71.65 295.45,81.7 295.95,85.25 295.8,86 295.35,86.45 289.73,89.58

## Copper pours and planes (outline as drawn; the poured copper is in the pictures)
+1V1 on Bottom: 122.75,120 117.5,120 117.5,122.5 122.75,122.5
+1V1 on In1.Cu: 135.5,111.5 124,111.5 124,120 121,120 121,122.5 135.5,122.5
+3V3 on Top: 103.5,113.5 91.5,113.5 91.5,112 90.25,112 90.25,122.75 103.5,122.75
+3V3 on Top: 213.5,110.25 208,110.25 208,117.75 213.5,117.75
+3V3 on Top: 277.3,32.2 266.75,32.2 266.75,41.2 277.2,41.2
+3V3 on In1.Cu: 141,123.5 139,123.5 139,112 135.75,112 135.75,122.75 132.75,122.75 131.75,121.75 129.5,121.75 128.5,122.75 120.75,122.75 120.75,119.75 123.75,119.75 123.75,111.75 115.75,111.75 115.75,122 101.5,122 101.5,127 141,127
+3V6 on Bottom: 101.5,118.35 98,118.35 98,122.5 101.5,122.5
+3V6 on In1.Cu: 101.5,122.25 101.5,119.25 107,117 115.5,117 115.5,98 98.75,98 98.75,122.25
+3V6 on In2.Cu: 301,-2 -2,-2 -2,104 259.25,104 259.25,129 301,129
GND on Top: 155.55,117.15 155.2,116.7 151.95,116.7 151.95,120.6 154.2,120.6 155.65,119.05 157.65,119.05 157.65,117.15
GND on Top: -3,-3 302,-3 302,130 -3,130
GND on Top: 113.72,120.78 114.15,121.65 114.15,122.55 112.35,122.55 112.35,121.6 112.78,120.78
GND on Bottom: 93.25,114 30.5,114 30.5,127.5 93.25,127.5
GND on Bottom: 217.5,116.62 143.25,116.75 143.25,127 217.5,126.88
GND on Bottom: 299.5,107 218,107 218,127.5 299.5,127.5
GND on Bottom: 97.75,118.25 96,118.25 96,122.5 97.75,122.5
GND on Bottom: 134.5,112.5 125.5,112.5 125.5,121.5 134.5,121.5
GND on Bottom: 112.35,118.05 110.5,118.05 110.5,120 112.35,120
GND on Bottom: 163.05,94.55 170.55,94.55 170.55,96.9 163.05,96.9
GND on Bottom: 114.15,121.7 112.35,121.7 112.35,122.6 114.15,122.6
GND on Bottom: 268.7,39.25 268.7,34.85 273.25,34.85 273.25,39.25
GND on Bottom: 295.05,40.6 295.05,35.6 288.05,35.6 288.05,40.6
GND on Bottom: 106.35,120.15 106.35,119.3 104.8,119.3 104.8,120.15
GND on Bottom: 294.75,28.4 294.75,23.4 287.75,23.4 287.75,28.4
GND on Bottom: 107.65,123.45 107.65,122.05 106.45,122.05 106.45,123.45
GND on In1.Cu: 300,-1 -1,-1 -1,128 300,128
GND on In2.Cu: 258.75,104.5 -2,104.5 -2,129 258.75,129
GND on In2.Cu: 277.2,30.2 266.75,30.2 266.75,41.2 277.2,41.2
VBUS on Top: 182,112.25 141.75,112.25 141.75,117.75 113.75,117.75 111.5,117.25 89,117.25 84.75,121.5 75.25,121.5 75.25,124.5 79.5,124.5 82,127 182,127
VCC on Bottom: 113.6,119.65 107.15,119.65 105.25,121.3 105.25,122.15 105.85,122.15 106.35,121.75 110.35,121.25 113.6,121.25
/USB/AL_VBUS on Top: 73.75,122 68.75,122 64.75,118 64.75,111.75 46.25,111.75 46.25,116 58,116 58,124.75 73.75,124.75
/USB/AL_VBUS on Bottom: 63.25,114 60.5,114 60.5,116.5 63.25,116.5
/USB/AR_VBUS on Top: 249.75,114.75 249.75,111 240.5,111 230,121.5 215.75,121.5 214.25,123 179.38,123 176.62,120.25 175,120.25 175,126.75 217.25,126.75 219.25,124.75 233,124.75 240.75,117 247.75,117
/USB/AR_VBUS on Bottom: 234.75,117 239,117 239,114.5 234.75,114.5
/USB/CL_VBUS on Bottom: 92.5,122.5 89.25,122.5 87.75,121 76.5,121 75.8,120.2 72.75,120.2 71.9,120.8 69.6,120.8 69.6,118.2 70.75,117 70.75,111.5 68,111.5 68,117.25 64.75,117.25 64.75,123 79.5,123 83.25,126.75 92.5,126.75
/USB/CR_VBUS on Top: 212,119.5 182.75,119.5 182.75,122.75 212,122.75
/USB/CR_VBUS on Bottom: 233.75,121 226.75,121 226,120.25 222.75,120.25 222.25,120.75 219.25,120.75 219.25,119.25 207,119.25 207,122.25 212,122.25 212,124 233.75,124
/VCORE on In2.Cu: 268,37.25 268,39 274,39 274,36.5 268.75,36.5
/~{BOOTSW} on Bottom: 163.05,92 170.55,92 170.55,94.05 163.05,94.05
COLA on Bottom: 5,95.75 0,95.75 0,102.75 5,102.75
COLA on Bottom: 5,76.75 0,76.75 0,83.75 5,83.75
COLA on Bottom: 9.75,57.75 4.75,57.75 4.75,64.75 9.75,64.75
COLA on Bottom: 14.75,38.5 9.75,38.5 9.75,45.5 14.75,45.5
COLA on Bottom: 19.25,19.75 14.25,19.75 14.25,26.75 19.25,26.75
COLA on Bottom: 14.5,0.75 9.5,0.75 9.5,7.75 14.5,7.75
COLB on Bottom: 38.5,0.75 33.5,0.75 33.5,7.75 38.5,7.75
COLB on Bottom: 48,19.25 43,19.25 43,26.25 48,26.25
COLB on Bottom: 39,37.5 34,37.5 34,45 39,45
COLB on Bottom: 34.25,57.25 29.25,57.25 29.25,64.25 34.25,64.25
COLB on Bottom: 25,75.8 20,75.8 20,82.8 25,82.8
COLB on Bottom: 25,94.8 20,94.8 20,101.8 25,101.8
COLC on Bottom: 43.92,94.75 38.92,94.75 38.92,101.75 43.92,101.75
COLC on Bottom: 44.06,75.75 39.06,75.75 39.06,82.75 44.06,82.75
COLC on Bottom: 53.5,56.75 48.5,56.75 48.5,63.75 53.5,63.75
COLC on Bottom: 58.25,37.75 53.25,37.75 53.25,44.75 58.25,44.75
COLC on Bottom: 67.5,18.5 62.5,18.5 62.5,25.5 67.5,25.5
COLC on Bottom: 58.25,-0.25 53.25,-0.25 53.25,6.75 58.25,6.75
COLD on Bottom: 77,0.11 72,0.11 72,7.11 77,7.11
COLD on Bottom: 86.75,18.75 81.75,18.75 81.75,25.75 86.75,25.75
COLD on Bottom: 76.95,38.25 71.95,38.25 71.95,45.25 76.95,45.25
COLD on Bottom: 72.25,57.25 67.25,57.25 67.25,64.25 72.25,64.25
COLD on Bottom: 62.74,76.25 57.74,76.25 57.74,83.25 62.74,83.25
COLD on Bottom: 62.74,95.25 57.74,95.25 57.74,102.25 62.74,102.25
COLE on Bottom: 81.69,95.25 76.69,95.25 76.69,102.25 81.69,102.25
COLE on Bottom: 81.62,76.25 76.62,76.25 76.62,83.25 81.62,83.25
COLE on Bottom: 91.04,57.25 86.04,57.25 86.04,64.25 91.04,64.25
COLE on Bottom: 95.89,38.25 90.89,38.25 90.89,45.25 95.89,45.25
COLE on Bottom: 105.39,19.25 100.39,19.25 100.39,26.25 105.39,26.25
COLE on Bottom: 105.5,0.25 100.5,0.25 100.5,7.25 105.5,7.25
COLF on Bottom: 100.6,95.5 95.6,95.5 95.6,102.5 100.6,102.5
COLF on Bottom: 100.7,76.5 96,76.5 96,83.5 100.7,83.5
COLF on Bottom: 109.99,57.5 104.99,57.5 104.99,64.5 109.99,64.5
COLF on Bottom: 114.72,38.5 109.72,38.5 109.72,45.5 114.72,45.5
COLF on Bottom: 124.25,19.5 119.25,19.5 119.25,26.5 124.25,26.5
COLF on Bottom: 285.2,38.5 280.2,38.5 280.2,45.5 285.2,45.5
COLG on Bottom: 143.5,0.5 138.5,0.5 138.5,7.5 143.5,7.5
COLG on Bottom: 143.5,19.25 138.5,19.25 138.5,26.25 143.5,26.25
COLG on Bottom: 134,38.25 129,38.25 129,45.25 134,45.25
COLG on Bottom: 129.25,57.25 124.25,57.25 124.25,64.25 129.25,64.25
COLG on Bottom: 119.75,76.25 114.75,76.25 114.75,83.25 119.75,83.25
COLG on Bottom: 119.75,95.31 114.75,95.31 114.75,102.31 119.75,102.31
COLH on Bottom: 171.79,0.25 166.79,0.25 166.79,7.25 171.79,7.25
COLH on Bottom: 162.52,19.25 157.52,19.25 157.52,26.25 162.52,26.25
COLH on Bottom: 152.75,38.25 147.75,38.25 147.75,45.25 152.75,45.25
COLH on Bottom: 148.18,57.25 143.18,57.25 143.18,64.25 148.18,64.25
COLH on Bottom: 138.46,76.25 133.46,76.25 133.46,83.25 138.46,83.25
COLH on Bottom: 138.75,95.31 133.75,95.31 133.75,102.31 138.75,102.31
COLI on Bottom: 191,0.25 186,0.25 186,7.25 191,7.25
COLI on Bottom: 181.5,19.25 176.5,19.25 176.5,26.25 181.5,26.25
COLI on Bottom: 172,38.25 167,38.25 167,45.25 172,45.25
COLI on Bottom: 167,57.25 162,57.25 162,64.25 167,64.25
COLI on Bottom: 157.5,76.25 152.5,76.25 152.5,83.25 157.5,83.25
COLI on Bottom: 157.75,95.25 152.75,95.25 152.75,102.25 157.75,102.25
COLJ on Bottom: 214.47,0.75 209.47,0.75 209.47,7.75 214.47,7.75
COLJ on Bottom: 200.12,19.5 195.12,19.5 195.12,26.5 200.12,26.5
COLJ on Bottom: 190.52,38.25 185.52,38.25 185.52,45.25 190.52,45.25
COLJ on Bottom: 185.98,57.5 180.98,57.5 180.98,64.5 185.98,64.5
COLJ on Bottom: 176.41,76.5 171.41,76.5 171.41,83.5 176.41,83.5
COLJ on Bottom: 176.5,95.41 171.5,95.41 171.5,102.41 176.5,102.41
COLK on Bottom: 195.29,95.5 190.29,95.5 190.29,102.5 195.29,102.5
COLK on Bottom: 195.09,76.5 190.5,76.5 190.5,83.5 195.09,83.5
COLK on Bottom: 204.46,57.5 199.75,57.5 199.75,64.5 204.46,64.5
COLK on Bottom: 209.52,38.5 204.52,38.5 204.52,45.5 209.52,45.5
COLK on Bottom: 218.96,19.5 213.96,19.5 213.96,26.5 218.96,26.5
COLK on Bottom: 247.5,0.41 242.5,0.41 242.5,7.41 247.5,7.41
COLL on Bottom: 266.5,0.5 261.5,0.5 261.5,7.5 266.5,7.5
COLL on Bottom: 242.75,19.5 237.75,19.5 237.75,26.5 242.75,26.5
COLL on Bottom: 228.5,38.5 223.5,38.5 223.5,45.5 228.5,45.5
COLL on Bottom: 223.75,57.5 218.75,57.5 218.75,64.5 223.75,64.5
COLL on Bottom: 214.25,76.5 209.25,76.5 209.25,83.5 214.25,83.5
COLL on Bottom: 214.5,95.5 209.5,95.5 209.5,102.5 214.5,102.5
COLM on Bottom: 233.25,95.37 228.25,95.37 228.25,102.37 233.25,102.37
COLM on Bottom: 233,76.58 228.25,76.5 228.25,83.5 233,83.58
COLM on Bottom: 242.75,57.49 237.75,57.49 237.75,64.49 242.75,64.49
COLM on Bottom: 252,38.5 247,38.5 247,45.5 252,45.5
COLM on Bottom: 266.25,19.5 261.25,19.5 261.25,26.5 266.25,26.5
COLM on Bottom: 285.5,0.5 280.5,0.5 280.5,7.5 285.5,7.5
COLN on Bottom: 285.5,76.5 280.5,76.5 280.5,83.5 285.5,83.5
COLN on Bottom: 285.5,95.5 280.5,95.5 280.5,102.5 285.5,102.5
COLN on Bottom: 285.25,57.5 280.25,57.5 280.25,64.5 285.25,64.5
COLN on Bottom: 261.5,57.5 256.5,57.5 256.5,64.5 261.5,64.5
COLN on Bottom: 256.85,76.5 251.85,76.5 251.85,83.5 256.85,83.5
COLN on Bottom: 256.85,95.5 251.85,95.5 251.85,102.5 256.85,102.5
Net-(D9-A-Pad1) on Bottom: 19.25,97.05 14.25,97.05 14.25,104.05 19.25,104.05
Net-(D9-A-Pad2) on Bottom: 38.25,97 33.25,97 33.25,104 38.25,104
Net-(D10-A-Pad1) on Bottom: 19.25,78 14.25,78 14.25,85 19.25,85
Net-(D10-A-Pad2) on Bottom: 38.25,77.76 33.25,77.76 33.25,84.76 38.25,84.76
Net-(D11-A-Pad1) on Bottom: 24,59 19,59 19,66 24,66
Net-(D11-A-Pad2) on Bottom: 47.25,60.5 42.5,60.5 42.5,67.5 47.25,67.5
Net-(D12-A-Pad1) on Bottom: 28.75,40 23.75,40 23.75,47 28.75,47
Net-(D12-A-Pad2) on Bottom: 52.5,39.71 47.5,39.71 47.5,46.71 52.5,46.71
Net-(D13-A-Pad1) on Bottom: 33.25,21.25 28.25,21.25 28.25,28.25 33.25,28.25
Net-(D13-A-Pad2) on Bottom: 61.75,21.18 56.75,21.18 56.75,27.75 61.75,27.75
Net-(D14-A-Pad1) on Bottom: 28.5,2.25 23.5,2.25 23.5,9.25 28.5,9.25
Net-(D14-A-Pad2) on Bottom: 52.32,2.25 47.32,2.25 47.32,9.25 52.32,9.25
Net-(D15-A-Pad1) on Bottom: 246.5,98.28 241.75,98.28 241.75,105.28 246.5,105.28
Net-(D15-A-Pad2) on Bottom: 270.75,98.25 265.75,98.25 265.75,105.25 270.75,105.25
Net-(D16-A-Pad1) on Bottom: 270.7,79.25 265.7,79.25 265.7,86.25 270.7,86.25
Net-(D16-A-Pad2) on Bottom: 246.5,79.25 241.75,79.25 241.75,86.25 246.5,86.25
Net-(D17-A-Pad1) on Bottom: 275.5,60.25 270.5,60.25 270.5,67.25 275.5,67.25
Net-(D17-A-Pad2) on Bottom: 256,60.25 251.25,60.25 251.25,67.25 256,67.25
Net-(D18-A-Pad1) on Bottom: 266.14,41.25 261.14,41.25 261.14,48.25 266.14,48.25
Net-(D18-A-Pad2) on Bottom: 299.23,98.25 294.23,98.25 294.23,105.25 299.23,105.25
Net-(D19-A-Pad1) on Bottom: 280.25,22.25 275.25,22.25 275.25,29.25 280.25,29.25
Net-(D19-A-Pad2) on Bottom: 299.23,79.25 294.23,79.25 294.23,86.25 299.23,86.25
Net-(D20-A-Pad1) on Bottom: 299.23,3.25 294.23,3.25 294.23,10.25 299.23,10.25
Net-(D20-A-Pad2) on Bottom: 299.23,60.25 294.23,60.25 294.23,67.25 299.23,67.25
Net-(D21-A-Pad1) on Bottom: 209,98.5 204,98.5 204,105.5 209,105.5
Net-(D22-A-Pad1) on Bottom: 227.5,77.75 222.5,77.75 222.5,84.75 227.5,84.75
Net-(D22-A-Pad2) on Bottom: 208.75,77.75 203.75,77.75 203.75,84.75 208.75,84.75
Net-(D23-A-Pad1) on Bottom: 218.25,60 213.5,60 213.5,67 218.25,67
Net-(D23-A-Pad2) on Bottom: 236.96,60 232.21,60 232.21,67 236.96,67
Net-(D24-A-Pad1) on Bottom: 223,40.44 218,40.44 218,47.44 223,47.44
Net-(D24-A-Pad2) on Bottom: 241.75,41.3 237,41.3 237,48.3 241.75,48.3
Net-(D25-A-Pad1) on Bottom: 232.5,22.25 227.75,22.25 227.75,29.25 232.5,29.25
Net-(D25-A-Pad2) on Bottom: 256.5,22.25 251.5,22.25 251.5,29.25 256.5,29.25
Net-(D26-A-Pad1) on Bottom: 261,3.25 256.25,3.25 256.25,10.25 261,10.25
Net-(D26-A-Pad2) on Bottom: 280,3.25 275.25,3.25 275.25,10.25 280,10.25
Net-(D27-A-Pad1) on Bottom: 171,98.5 166,98.5 166,105.5 171,105.5
Net-(D27-A-Pad2) on Bottom: 189.75,98.5 185,98.5 185,105.5 189.75,105.5
Net-(D28-A-Pad1) on Bottom: 189.75,77.75 184.75,77.75 184.75,84.75 189.75,84.75
Net-(D28-A-Pad2) on Bottom: 170.75,77.75 165.75,77.75 165.75,84.75 170.75,84.75
Net-(D29-A-Pad1) on Bottom: 179.98,60 175.23,60 175.23,67 179.98,67
Net-(D29-A-Pad2) on Bottom: 199,60 194.25,60 194.25,67 199,67
Net-(D30-A-Pad1) on Bottom: 185,41.5 180,41.5 180,48.5 185,48.5
Net-(D30-A-Pad2) on Bottom: 203.75,39.75 198.75,39.75 198.75,46.75 203.75,46.75
Net-(D31-A-Pad1) on Bottom: 194.5,21.91 189.5,21.91 189.5,28.91 194.5,28.91
Net-(D31-A-Pad2) on Bottom: 213.25,20.5 208.5,20.62 208.5,27.62 213.25,27.5
Net-(D32-A-Pad1) on Bottom: 203.73,1.75 198.73,1.75 198.73,8.75 203.73,8.75
Net-(D32-A-Pad2) on Bottom: 227.75,3.25 223,3.25 223,10.25 227.75,10.25
Net-(D33-A-Pad1) on Bottom: 133,97 128,97 128,104 133,104
Net-(D33-A-Pad2) on Bottom: 152,97.25 147,97.25 147,104.25 152,104.25
Net-(D34-A-Pad1) on Bottom: 132.9,78 127.9,78 127.9,85 132.9,85
Net-(D34-A-Pad2) on Bottom: 151.75,77.75 146.75,77.75 146.75,84.75 151.75,84.75
Net-(D35-A-Pad1) on Bottom: 142.25,60.39 137.5,60.39 137.5,67.39 142.25,67.39
Net-(D35-A-Pad2) on Bottom: 161,60 156.25,60 156.25,67 161,67
Net-(D36-A-Pad1) on Bottom: 147,40.09 142,40.09 142,47.09 147,47.09
Net-(D36-A-Pad2) on Bottom: 166.17,39.5 161.17,39.5 161.17,46.5 166.17,46.5
Net-(D37-A-Pad1) on Bottom: 157,21.9 152,21.9 152,28.9 157,28.9
Net-(D37-A-Pad2) on Bottom: 176,21.9 171,21.9 171,28.9 176,28.9
Net-(D38-A-Pad1) on Bottom: 156.62,1.75 151.62,1.75 151.62,8.75 156.62,8.75
Net-(D38-A-Pad2) on Bottom: 184.75,1.75 179.75,1.75 179.75,8.75 184.75,8.75
Net-(D39-A-Pad1) on Bottom: 95,97 90.25,97 90.25,104 95,104
Net-(D39-A-Pad2) on Bottom: 114.25,97 109.25,97 109.25,104 114.25,104
Net-(D40-A-Pad1) on Bottom: 113.87,78 108.87,78 108.87,85 113.87,85
Net-(D40-A-Pad2) on Bottom: 95.25,77.76 90.25,77.76 90.25,84.76 95.25,84.76
Net-(D41-A-Pad1) on Bottom: 123.25,60.39 118.5,60.39 118.5,67.39 123.25,67.39
Net-(D41-A-Pad2) on Bottom: 104.25,60.39 99.5,60.39 99.5,67.39 104.25,67.39
Net-(D42-A-Pad1) on Bottom: 109,39.75 104,39.75 104,46.75 109,46.75
Net-(D42-A-Pad2) on Bottom: 128,39.75 123,39.75 123,46.75 128,46.75
Net-(D43-A-Pad1) on Bottom: 118.5,21.55 113.5,21.55 113.5,28.55 118.5,28.55
Net-(D43-A-Pad2) on Bottom: 137.75,20.8 132.75,20.8 132.75,27.8 137.75,27.8
Net-(D44-A-Pad1) on Bottom: 299.23,41.25 294.23,41.25 294.23,48.25 299.23,48.25
Net-(D44-A-Pad2) on Bottom: 118.5,1.75 113.5,1.75 113.5,8.75 118.5,8.75
Net-(D45-A-Pad1) on Bottom: 57,97 52.25,97 52.25,104 57,104
Net-(D45-A-Pad2) on Bottom: 76,97 71.25,97 71.25,104 76,104
Net-(D46-A-Pad1) on Bottom: 57,77.75 52.25,77.76 52.25,84.76 57,84.75
Net-(D46-A-Pad2) on Bottom: 76,77.75 71.25,77.76 71.25,84.76 76,84.75
Net-(D47-A-Pad1) on Bottom: 85.5,58.71 80.5,58.71 80.5,65.71 85.5,65.71
Net-(D47-A-Pad2) on Bottom: 66.75,58.71 61.75,58.71 61.75,65.71 66.75,65.71
Net-(D48-A-Pad1) on Bottom: 71,39.75 66,39.75 66,46.75 71,46.75
Net-(D48-A-Pad2) on Bottom: 90,39.75 85,39.75 85,46.75 90,46.75
Net-(D49-A-Pad1) on Bottom: 99.5,21.5 94.5,21.5 94.5,28.5 99.5,28.5
Net-(D49-A-Pad2) on Bottom: 80.55,21.5 75.55,21.5 75.55,28.5 80.55,28.5
Net-(D50-A-Pad1) on Bottom: 71.31,2.25 66.31,2.25 66.31,9.25 71.31,9.25
Net-(D50-A-Pad2) on Bottom: 90,2.5 85,2.5 85,9.5 90,9.5

## Text on the board
Bottom: Bottom Copper (4)
B.Mask: Bottom Soldermask
B.Silkscreen: SDA | SCL | lift / here | Bottom Silkscreen | 5 GND / 3 NC / 1 VCC 3.3 V | AL | DFU BOOT | AR | USB hub / bypass | RP2040 / Serial Wire / Debug / TC2030-CTX | lift here | NC 6 / SWCLK 4 / SWDIO 2 | CL | CR | GND | 3.3 V / SWDIO / SWCLK / GND | launch 3.2
User.Comments: Prepreg: 2113 or as required for controlled impedance | Core: 1.3 mm typical | Launch Rev 3.2 / Board must be RoHS compliant / Fabricate to IPC-A-600 Class II / Material: Shengyi S1000-2 / Inner copper 1 or 1/2 oz / Outer copper, min 33.4 um finished / Black LPI solder mask over bare copper / Vendor may remove solder mask from via holes, / maximum of drill size + 3 mil / Finish: OSP / Silkscreen: white non conductive / 100% electrical test required / Remove all unused pads from inner layers / All layers positive / Overall thickness: 1.6 mm +- 10 % | Controlled impedance: / Layer 1 ref layer 2, 90 ohm diff: 0.137 mm trace, 0.121 mm space / Layer 4 ref layer 3, 90 ohm diff: 0.137 mm trace, 0.121 mm space
Top: Top Copper (1)
F.Mask: Top Soldermask
F.Silkscreen: Top Silkscreen
In1.Cu: Inner Copper (2)
In2.Cu: Inner Copper (3)
